# Altium PCB A33.PcbDoc (part 2 of 3)
Units mil, origin at the board's own origin, x right, y up, seen from the top; angles counter-clockwise.
Board outline 7899.31 x 8282.76 mil, 4 copper layers (TOP, GND02, PWR03, BOTTOM), stack 38.4 mil thick; 39 components, 64 nets, 546 pads, 403 vias.
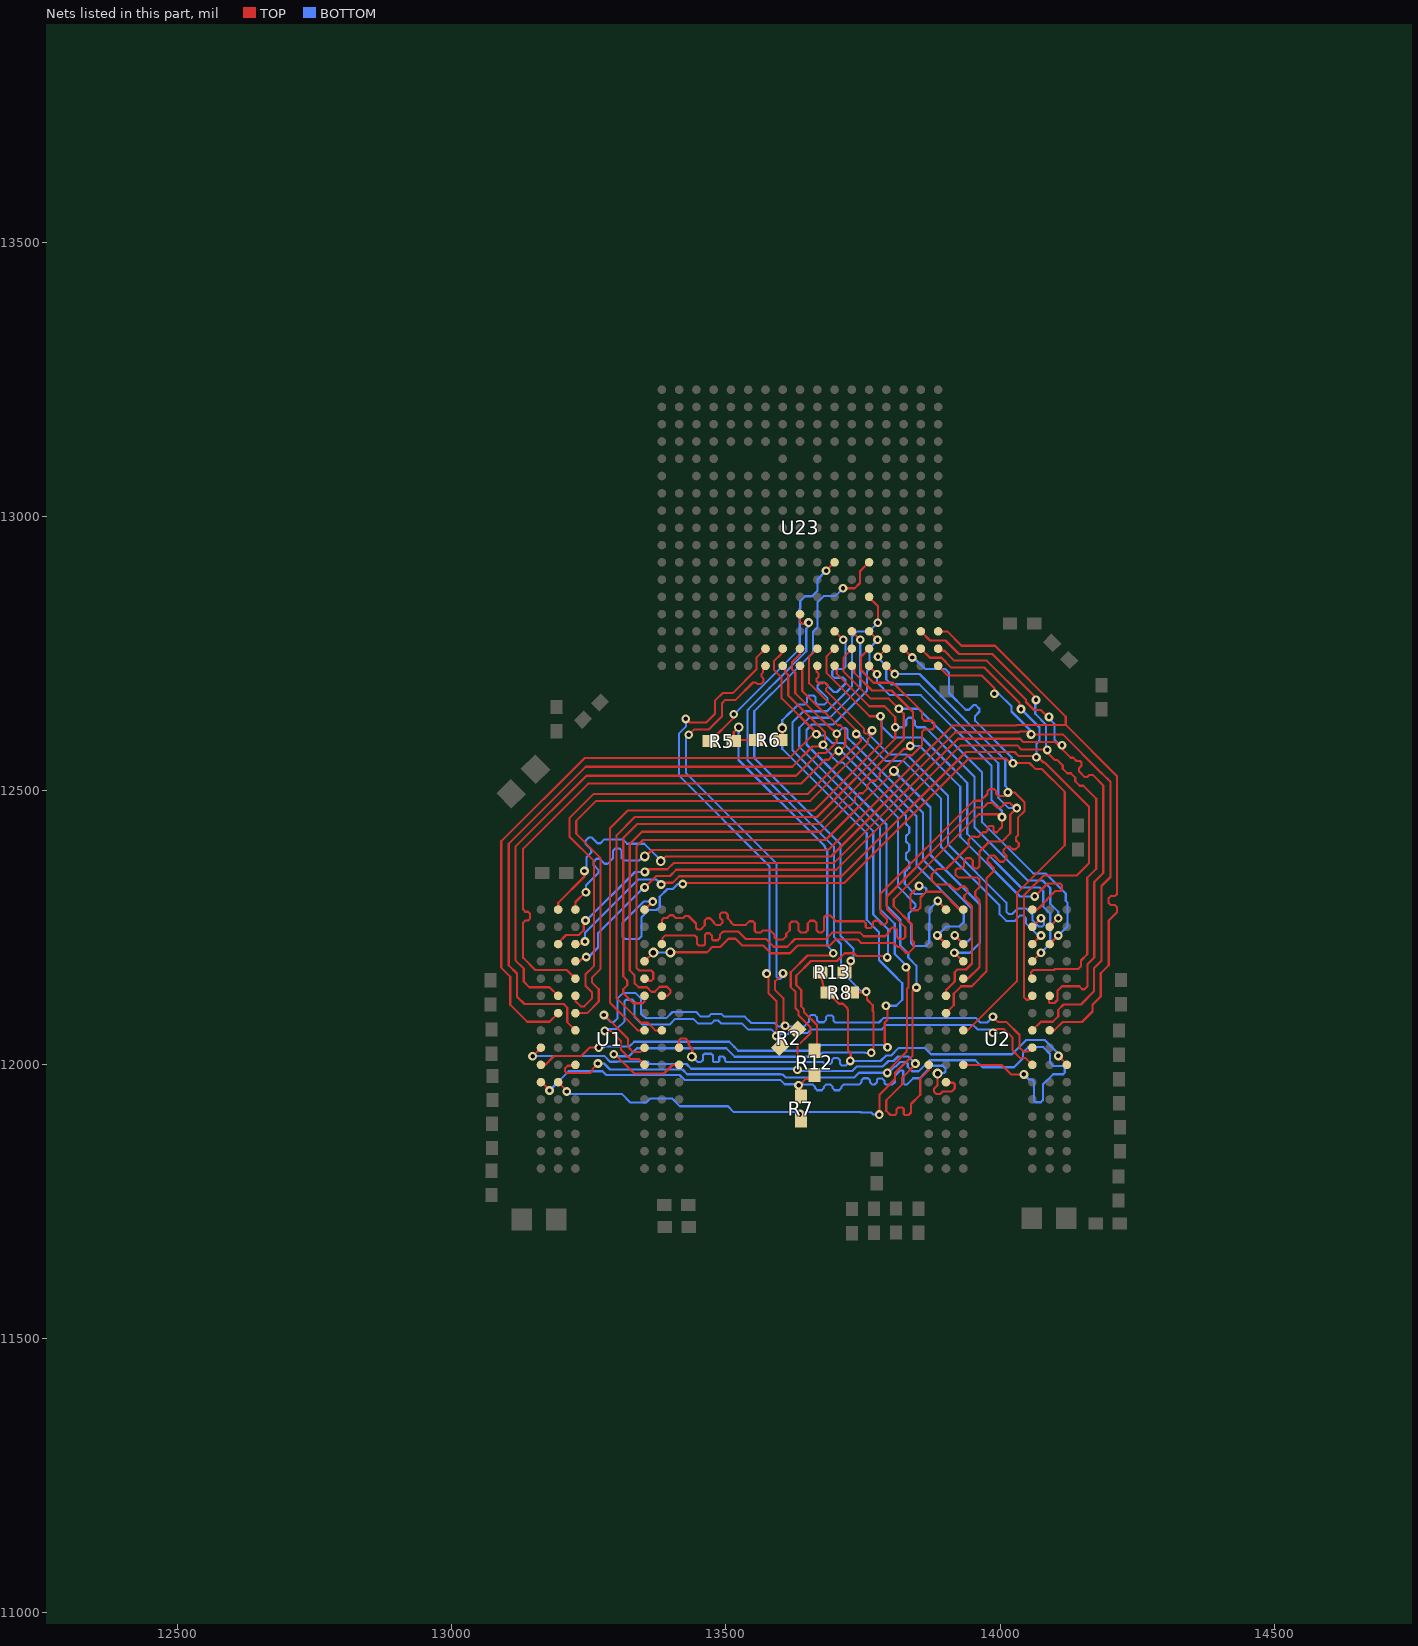
[diagram p4: the nets of this part, all layers, seen from the top]

## Via types
v1: diameter 16, hole 8, TOP to BOTTOM, 320 vias
v2: diameter 18, hole 10, TOP to BOTTOM, 83 vias

## Nets (pads, with @x,y where several pads share a name; then routed paths per layer and width w, separated by ;. In a path a pad name is that pad's centre, name@x,y a point inside that pad or via, vN(x,y) a via of type N, cw(c..) or ccw(c..) an arc to the next point about the centre after c; other vN are vias at no path point) (continued)
DCAS: U1.K3 U2.K3 U23.M3 | length 2302.2
  TOP w4: U1.K3@13225.37,11999.84 13223.94,11998.41 13211.05,11998.41 13206.36,11993.72 13206.36,11988.07 13209.25,11985.18 13251.73,11985.18 13256.67,11990.11 13256.67,11992.65 v1(13266.36,12002.34) ; U23.M3@13729.55,12790.81 v1(13745.02,12775.34) ; v1(13794.34,11985.25) 13794.34,11986.6 13796.84,11989.1 13796.84,11991.14 13829.35,12023.65 13829.35,12026.55 13830.47,12027.67 13830.47,12138.74 13832.82,12141.09 13832.82,12173.55 v1(13828.24,12178.13) ; U2.K3@13932.93,11999.84 14003.35,11999.84 14020.68,11982.52 v1(14043.58,11982.52)
  BOTTOM w4: v1(13266.36,12002.34) 13277.48,12002.34 13288.23,11991.6 13388.64,11991.6 13411.3,11991.59 13411.47,11991.43 13420.49,11991.43 13429.11,11982.81 13599.06,11982.81 13599.35,11982.52 13603.38,11982.52 13609.07,11976.83 13734.11,11976.83 13742.67,11985.39 13794.2,11985.39 v1(13794.34,11985.25) 13795.1,11986.01 13797.09,11986.01 13808.12,11997.04 13809.78,11997.04 13811.49,11998.75 ; v1(13745.02,12775.34) 13745.02,12688.8 13689.35,12633.13 13652.08,12633.13 13633.76,12614.82 13633.76,12580.54 13780.79,12433.51 13780.79,12284.53 13808.01,12257.32 13808.01,12202.24 13828.24,12182.01 v1(13828.24,12178.13) ; 13811.53,11998.75 13817.66,12004.88 13828.82,12004.88 13831.64,12002.05 13831.64,11996.39 13839.84,11988.19 13851.44,11988.19 13871.55,12008.3 13955.04,12008.3 13967.88,11995.46 14025.39,11995.46 14041.95,12012.01 14041.95,12022.62 14051.63,12032.31 14078.77,12032.31 14091.21,12019.86 14091.21,12003.7 14096.85,11998.06 14115.29,11998.06 14118.11,11995.23 14118.11,11985.88 14115.16,11982.92 14097.08,11982.92 14078.53,11964.37 14078.53,11935.67 14074.53,11931.67 14064.03,11931.67 14061.96,11933.73 14061.96,11968.93 14057.73,11973.17 14052.94,11973.17 v1(14043.58,11982.52)
DCK: R2.1 U1.J7 U2.J7 U23.G1 | length 1985.9
  TOP w3.7: v1(13277.32,12090.91) 13279.03,12089.2 13279.84,12089.2 13321.2,12047.83 13321.2,12032.63 13330.66,12023.17 13343.18,12023.17 U1.J7@13351.35,12031.34 ; v1(13431.99,12602.36) 13441.71,12612.08 13468.99,12612.08 13492.76,12635.84 13492.76,12649.74 13492.76,12659.82 13498.73,12665.79 13517.47,12665.79 13549.3,12697.62 13554.53,12697.62 13557.74,12694.41 13563.78,12694.41 13568.28,12698.91 13568.28,12704.8 13564.99,12708.09 13564.99,12713.32 13567.79,12716.12 13567.79,12723.55 U23.G1@13572.07,12727.82 ; v1(13604.08,12166.8) 13589.84,12152.56 13589.84,12136.28 13604.51,12121.61 13604.51,12074.41 v1(13607.79,12071.14) 13615.09,12063.83 R2.1@13629.84,12063.83 ; v1(13987.03,12087.52) 13996.63,12077.92 14012.08,12077.92 14035.53,12054.47 14035.53,12031.34 14042.2,12024.67 14052.24,12024.67 U2.J7@14058.91,12031.34
  BOTTOM w3.7: v1(13277.32,12090.91) 13290.04,12078.18 13295.56,12078.18 13302.44,12085.06 13302.44,12121.34 13312.31,12131.21 13334.55,12131.21 13345.31,12120.45 13345.31,12093.2 13352.72,12085.79 13391.76,12085.79 13402.38,12096.41 13445.61,12096.41 13454.26,12087.76 13468.02,12087.76 13473.4,12093.14 13491.54,12093.14 13496.92,12087.76 13534.59,12087.76 13545.69,12076.67 13588.51,12076.67 13595.14,12070.04 13606.69,12070.04 v1(13607.79,12071.14) 13608.74,12070.19 13642.91,12070.19 13651.22,12078.5 13651.22,12086.97 13654.92,12090.67 13662.32,12090.67 13666.02,12086.97 13666.02,12081.37 13669.72,12077.67 13678.42,12077.67 13682.12,12081.37 13682.12,12086.67 13685.62,12090.17 13692.62,12090.17 13696.12,12086.67 13696.12,12080.67 13699.62,12077.17 13779.16,12077.17 13787.51,12085.51 13955.68,12085.51 13964.02,12077.17 13976.68,12077.17 v1(13987.03,12087.52) ; v1(13431.99,12602.36) 13426.85,12597.22 13426.85,12532.81 13591.81,12367.85 13591.81,12160.93 13595.84,12156.9 13599.42,12156.9 13604.08,12161.57 v1(13604.08,12166.8)
DCKE: R8.2 U1.K9 U23.J4 | length 1618.8
  TOP w4: v1(13295.23,12019.47) 13297.09,12019.47 13332.4,11984.17 13386.8,11984.17 13402.47,11999.84 U1.K9@13414.35,11999.84 ; U23.J4@13635.06,12822.31 13635.06,12808.41 13638.78,12804.69 13648.62,12804.69 v1(13650.74,12806.81) ; R8.2@13729.74,12131.95 13752.55,12131.95 13754.19,12133.59 v1(13755.74,12133.59) 13755.74,12132.05 13757.39,12130.4 13757.39,12119.34 13767.93,12108.8 13767.93,12097.94 13769.2,12096.67 13769.2,12026.11 v1(13764.93,12021.84)
  BOTTOM w4: v1(13295.23,12019.47) 13297.09,12019.47 13300.77,12015.79 13323.06,12015.79 13337.47,12030.21 13500.53,12030.21 13515.84,12014.91 13669.24,12014.91 13676.68,12022.35 13752.88,12022.35 13753.4,12021.84 v1(13764.93,12021.84) ; v1(13650.74,12806.81) 13650.74,12799.64 13646.57,12795.47 13646.57,12754.36 13593.87,12701.66 13593.81,12701.66 13580.04,12687.89 13579.89,12687.89 13541.43,12649.43 13541.43,12649.28 13539.43,12647.28 13539.43,12555.21 13696.79,12397.85 13696.79,12233.59 13709.98,12220.41 13709.98,12181.21 13717.33,12173.86 13717.33,12163.68 13747.42,12133.59 v1(13755.74,12133.59)
DCKE1: R13.1 U23.N7 | length 941.9
  TOP w4: v1(13713.54,12869.42) 13734.7,12869.42 13744.42,12879.14 13744.42,12900.24 13746.48,12902.3 13746.48,12902.56 13760.71,12916.8 U23.N7@13761.04,12916.8 ; R13.1@13716.03,12168.45 13716.03,12170.54 13727.74,12182.26 v1(13727.74,12189.44)
  BOTTOM w4: v1(13713.54,12869.42) 13699.26,12855.14 13678.24,12855.14 13667.03,12843.94 13667.03,12798.52 13658.57,12790.06 13658.57,12752.27 13657.23,12750.94 13657.23,12750.88 13598.01,12691.66 13597.95,12691.66 13584.18,12677.89 13584.03,12677.89 13551.43,12645.29 13551.43,12559.66 13708.79,12402.3 13708.79,12235.74 13732.4,12212.13 13732.4,12194.1 v1(13727.74,12189.44)
DCKE1-D: R8.1 R13.2 U1.J9 U2.K9 | length 1049.5
  TOP w4: U1.J9@13414.35,12031.34 13414.35,12041.21 13414.53,12041.21 13414.53,12045.22 13417.27,12047.96 13426.52,12047.96 13432.11,12042.37 13432.11,12036.28 13438.58,12029.81 13438.58,12015.37 v2(13437.85,12014.64) ; R13.2@13672.03,12168.45 13678.83,12138.86 R8.1@13685.74,12131.95 13706.32,12111.37 13713.65,12111.37 13721.85,12103.17 13721.85,12100.6 13722.44,12100.01 13722.44,12026.45 13727.68,12021.21 v1@13727.68,12007.89 ; v1(13726.9,12007.11) v1@13727.68,12007.89 ; v1@13727.68,12007.13 v1@13727.68,12007.89 ; v1(14106.47,12016.23) 14121.9,12000.8 U2.K9@14121.9,11999.84
  BOTTOM w4: v2@13438.16,12014.33 v2(13437.85,12014.64) 13439.03,12014.64 13448.76,12004.91 13454.13,12004.91 13458.13,12008.91 13458.13,12017.79 13460.55,12020.21 13473.23,12020.21 13476.39,12017.06 13476.39,12006.65 13478.13,12004.91 13485.24,12004.91 13487.68,12007.35 13487.68,12013.81 13488.89,12015.02 13494.54,12015.02 13498.16,12011.4 13498.16,12007.62 13500.87,12004.91 13676.93,12004.91 13680.61,12001.23 13689.75,12001.23 13693.62,12005.1 13693.62,12009.39 13696.59,12012.35 13704.11,12012.35 13708.11,12008.35 13708.11,12001.77 13711.19,11998.7 13718.49,11998.7 v1(13726.9,12007.11) 13727.68,12007.11 13727.88,12006.91 13782.05,12006.91 13792.19,12017.04 13801.5,12017.04 13815.36,12030.91 13862.39,12030.91 13873.95,12019.35 14021.7,12019.35 14047.45,12045.09 14082.03,12045.09 14106.47,12020.66 v1(14106.47,12016.23)
DCKN: R2.2 U1.K7 U2.K7 U23.G2 | length 1975.6
  TOP w3.7: v1(13278.94,12061.92) 13289.44,12061.92 13308.7,12042.66 13308.7,12027.45 13313.02,12023.13 ; 13313.02,12023.12 13325.48,12010.67 13340.53,12010.67 U1.K7@13351.35,11999.84 ; v1(13426.47,12631.12) 13433.01,12624.58 13463.82,12624.58 13480.26,12641.02 13480.26,12665 13493.56,12678.29 13512.29,12678.29 13555.29,12721.3 13555.29,12742.55 U23.G2@13572.07,12759.32 ; v1(13574.07,12166.48) 13577.34,12163.2 13577.34,12131.1 13592.01,12116.43 v1@13592.01,12052.73 ; v1(13591.86,12052.57) v1@13592.01,12052.73 ; R2.2@13598.72,12032.72 13598.72,12043.84 13592.01,12050.55 v1@13592.01,12052.73 ; v1(13987.03,12058.67) 13993.78,12065.42 14006.9,12065.42 14023.03,12049.29 14023.03,12026.17 14037.03,12012.17 14046.59,12012.17 U2.K7@14058.91,11999.84
  BOTTOM w3.7: v1(13278.94,12061.92) 13282.7,12065.68 13300.74,12065.68 13314.94,12079.88 13314.94,12116.17 13317.48,12118.71 13329.37,12118.71 13332.81,12115.27 13332.81,12088.02 13347.54,12073.29 13396.93,12073.29 13407.55,12083.91 13440.43,12083.91 13449.08,12075.26 13473.2,12075.26 13478.58,12080.64 13486.36,12080.64 13491.74,12075.26 13529.41,12075.26 13540.51,12064.17 13583.34,12064.17 13591.86,12055.64 v1(13591.86,12052.57) ; v1(13426.47,12631.12) 13427.22,12630.37 13427.22,12617.6 13414.35,12604.73 13414.35,12527.63 13579.31,12362.67 13579.31,12171.72 v1(13574.07,12166.48) ; v1@13595.29,12057.54 13595.29,12050.09 13592.81,12052.57 v1(13591.86,12052.57) ; v1(13987.03,12058.67) 13981.03,12064.67 13958.84,12064.67 13950.5,12073.01 13792.68,12073.01 13784.34,12064.67 13655.07,12064.67 13648.09,12057.69 13615.34,12057.69 13613.94,12056.29 13595.58,12056.29 v1(13591.86,12052.57)
DCS: R7.2 U1.L2 U23.N3 | length 1741.2
  TOP w4: U1.L2@13193.87,11968.34 13209.51,11952.71 v1(13209.51,11951.28) ; R7.2@13633.76,11889.55 13633.76,11908.96 v1(13634.93,11910.12) ; U23.N3@13761.04,12790.81 v1(13776.51,12775.34) ; v1(13779.44,11909.15) 13780.27,11909.98 13780.27,11945.91 13808.5,11974.14 13808.5,11985.06 13840.47,12017.03 13840.47,12134.27 v1(13847.34,12141.14) ; v1(13634.93,11910.12) 13634.93,11904.33 R7.2@13636.45,11898.25 13636.45,11908.59 v1(13634.93,11910.12)
  BOTTOM w4: v1(13209.51,11951.28) 13213.83,11946.95 13309.9,11946.95 13325.59,11931.26 13354.67,11931.26 13361.8,11938.38 13401.79,11938.38 13415.87,11924.31 13503.55,11924.31 13514.16,11913.7 13629.02,11913.7 13632.6,11910.12 v1(13634.93,11910.12) 13638.51,11913.7 13745.82,11913.7 13746.33,11913.19 13764.93,11913.19 13768.98,11909.15 v1(13779.44,11909.15) ; v1(13776.51,12775.34) 13776.51,12775.07 13761.71,12760.27 13761.71,12722.22 13757.04,12717.55 13757.04,12682.09 13695.82,12620.87 13656.79,12620.87 13646.86,12610.95 13646.86,12584.41 13792.79,12438.48 13792.79,12290.5 13818.01,12265.28 13818.01,12218.18 13832.55,12203.65 13832.55,12195.97 13835.34,12193.17 13835.34,12192.93 13847.34,12180.93 v1(13847.34,12141.14)
DCS1: R12.1 U23.N5 | length 1180.1
  TOP w4: R12.1@13661.2,12025.64 13665.95,12030.4 13665.95,12072.59 13642.36,12096.17 13642.36,12101.63 13637.35,12106.65 13637.35,12136.61 13628.2,12145.75 13628.2,12162.43 13655.19,12189.42 13702.7,12189.42 13716.72,12203.44 13733.54,12203.44 13738.38,12198.6 13790.83,12198.6 13793.37,12196.05 v1(13794.24,12196.05) ; U23.N5@13761.04,12853.81 13761.04,12853.02 13777.09,12836.98 v1(13777.09,12806.57)
  BOTTOM w4: v1(13777.09,12806.57) 13761.34,12790.83 13739.73,12790.83 13730.03,12781.13 13730.03,12690.78 13684.38,12645.13 13641.42,12645.13 13621.22,12624.93 13621.22,12574.01 13768.79,12426.43 13768.79,12274.33 13795.68,12247.44 13795.68,12199.63 13794.24,12198.18 v1(13794.24,12196.05)
DCS1-D: R7.1 R12.2 U1.L1 U2.L2 | length 1074.1
  TOP w4: U1.L1@13162.38,11968.34 13163.88,11968.34 13177.21,11955.02 13177.21,11953.99 v1(13178.07,11953.12) ; v1@13633.76,11958.66 v1@13632.98,11959.44 ; v1@13635.28,11959.44 v1@13632.98,11959.44 ; R7.1@13636.45,11942.25 13636.45,11958.88 v1(13632.5,11962.83) ; R12.2@13661.2,11981.64 13654.11,11974.55 13645.74,11974.55 13635.82,11964.63 13634.3,11964.63 v1(13632.5,11962.83) ; v2(13886.06,11983.9) 13886.06,11963 13879.61,11956.55 13879.61,11950.9 13883.95,11946.56 13890.38,11946.56 13895.23,11951.41 13912.01,11951.41 13917.45,11956.85 13917.45,11964.76 13914.97,11967.24 13902.55,11967.24 U2.L2@13901.43,11968.35 ; v1(13632.5,11962.83) 13632.5,11959.92 v1@13632.98,11959.44
  BOTTOM w4: v1(13178.07,11953.12) 13213.23,11988.28 13274.55,11988.28 13281.39,11981.43 13415.32,11981.43 13424.23,11972.52 13599.24,11972.52 13607.13,11964.63 13626.92,11964.63 13631.63,11959.92 13632.5,11960.79 v1(13632.5,11962.83) 13633.56,11963.89 13658.56,11963.89 13662.56,11959.89 13662.56,11957.73 13666.56,11953.73 13674.56,11953.73 13678.56,11957.73 13678.56,11959.89 13682.56,11963.89 13690.56,11963.89 13694.56,11959.89 13694.56,11957.73 13698.56,11953.73 13706.56,11953.73 13710.56,11957.73 13710.56,11959.89 13714.56,11963.89 13742.98,11963.89 13746.98,11967.89 13746.98,11971.36 13750.98,11975.36 13758.98,11975.36 13762.98,11971.36 13762.98,11967.89 13766.98,11963.89 13771.09,11963.89 13771.09,11963.96 13775.59,11968.45 13775.59,11973.19 13777.18,11974.78 13785,11974.78 13788.96,11970.83 13788.96,11966.76 13791.84,11963.89 13803.51,11963.89 13808.39,11968.77 13808.39,11980.48 13817.69,11989.77 13822.28,11989.77 13823.34,11988.71 13823.34,11966.71 13826.16,11963.89 13829.96,11963.89 13841.51,11975.44 13853.73,11975.44 13863.19,11984.91 13863.19,11985.8 13875.69,11998.3 13895.68,11998.3 13900.35,11993.63 13900.35,11987.69 13897.73,11985.07 13887.22,11985.07 v2(13886.06,11983.9)
DODT: R6.1 U1.K1 U23.L3 | length 1769.5
  TOP w4: U1.K1@13162.38,11999.84 13169.98,11999.84 13186.37,12016.24 13236.12,12016.24 13251.35,12031.47 v1(13267.94,12031.47) ; R6.1@13599.1,12592.54 13599.1,12597.62 13602.71,12601.23 v2(13602.71,12614.21) ; U23.L3@13698.05,12790.81 13698.58,12790.81 v1(13714.05,12775.34) ; v1(13791.93,12107.88) 13794.61,12105.2 13794.61,12082.44 13789.51,12077.34 13789.51,12039.77 13794.61,12034.67 v1(13794.61,12032.13)
  BOTTOM w4: v1(13267.94,12031.47) 13276.57,12031.47 13278.57,12033.47 13323.76,12033.47 13332.5,12042.21 13505.83,12042.21 13514.97,12033.07 13522.29,12025.75 13663.11,12025.75 13673.5,12036.14 13790.59,12036.14 v1(13794.61,12032.13) ; v2@13602.71,12617.8 v2(13602.71,12614.21) 13602.71,12576.59 13756.79,12422.5 13756.79,12264.51 13779.2,12242.1 13779.2,12191.3 13812.07,12158.42 13812.07,12158.17 13821.58,12148.66 13821.58,12118.6 13810.87,12107.88 v1(13791.93,12107.88) ; v2@13602.74,12617.83 13602.74,12628.57 13617.84,12643.66 13617.89,12643.66 13631.36,12657.13 13643.54,12657.13 13647.54,12661.13 13647.54,12670.01 13651.54,12674.01 13659.54,12674.01 13663.54,12670.01 13663.54,12661.13 13667.54,12657.13 13679.41,12657.13 13685.42,12663.14 13685.42,12668.8 13666.91,12687.3 13666.91,12692.1 13672.57,12697.76 13679.08,12697.76 13696.73,12680.11 13702.39,12680.11 13718.03,12695.75 13718.03,12702.12 13714.03,12706.12 13697.79,12706.12 13693.79,12710.12 13693.79,12718.12 13697.79,12722.12 13714.03,12722.12 13718.03,12726.12 13718.03,12771.37 v1(13714.05,12775.34)
DODT1: R5.1 U23.L7 | length 428.9
  TOP w4: R5.1@13470.2,12590.8 13471.77,12590.8 13514.3,12633.32 v1(13514.3,12639.65) ; v1(13682.59,12901.34) U23.L7@13698.05,12916.8
  BOTTOM w4: v1(13514.3,12639.65) 13514.83,12639.65 13634.57,12759.39 13634.57,12832.11 13635.53,12833.07 13635.53,12846.06 13644.37,12854.91 13656.81,12854.91 13665.6,12863.7 13666.84,12864.95 13666.84,12885.59 v1(13682.59,12901.34)
DODT1-D: R5.2 R6.2 U1.J1 U2.K1 | length 1882.2
  TOP w4: v1(13147.2,12015.6) 13162.38,12030.78 U1.J1@13162.38,12031.34 ; v2(13523.16,12615.8) 13514.2,12606.83 R5.2@13514.2,12590.8 13515.94,12592.54 R6.2@13555.1,12592.54 ; v1(13630.26,11990.91) 13630.26,12033.85 13654.26,12057.85 13654.26,12068.41 13632.36,12090.3 13632.36,12097.49 13626.77,12103.09 13626.77,12133.05 13618.08,12141.73 13618.08,12168.92 13648.58,12199.42 13691.63,12199.42 v1(13695.63,12203.42) ; v1(13845.64,12002.19) 13845.64,12000.6 13821.74,11976.69 13821.74,11964.51 13792.32,11935.09 13792.32,11916.14 13800.15,11908.31 13808.25,11908.31 13811.35,11911.41 13811.35,11918.93 13814.62,11922.2 13821.31,11922.2 13824.18,11919.33 13824.18,11910.84 13826.72,11908.31 13832.84,11908.31 13837.42,11912.88 13837.42,11928.4 13854.28,11945.27 13854.28,11974.44 13869.94,11990.1 U2.K1@13869.94,11999.84
  TOP w5.2: R6.2@13555.1,12592.54 R6.2@13555.1,12597.06
  BOTTOM w4: v1(13147.2,12015.6) 13147.95,12016.35 13277.62,12016.35 13288.5,12005.47 13301.03,12005.47 13301.35,12005.79 13357.11,12005.79 13361.3,12001.6 13392.78,12001.6 13415.44,12001.59 13415.61,12001.43 13427.83,12001.43 13436.46,11992.81 13625.7,11992.81 13627.21,11991.3 13629.87,11991.3 v1(13630.26,11990.91) 13632.47,11988.7 13730.1,11988.7 13738.32,11996.91 13786.19,11996.91 13796.33,12007.04 13805.64,12007.04 13813.75,12015.16 13832.68,12015.16 v1(13845.64,12002.19) ; v2(13523.16,12615.8) 13523.16,12606.36 13522.94,12606.14 13522.94,12556.31 13678.79,12400.45 13678.79,12400.07 13680.79,12398.07 13680.79,12395.83 13684.79,12391.83 13684.79,12217.01 13695.63,12206.17 v1(13695.63,12203.42)
DQ0: U1.F8 U2.A7 U23.M1 | length 1703.7
  TOP w4: U1.F8@13382.85,12125.82 13393.12,12125.82 13398.82,12131.52 13398.82,12135.82 13392.32,12142.32 13379.12,12142.32 13370.2,12133.4 13363.85,12133.4 13355.84,12141.42 13340.61,12141.42 13332.89,12149.14 13332.89,12163.87 13324.45,12172.31 13324.45,12403.07 13346.6,12425.22 13673.09,12425.22 13720.76,12472.89 13726.93,12472.89 13735.16,12481.11 13735.16,12481.63 13735.16,12487.29 13743.38,12495.52 13743.9,12495.52 13749.56,12495.52 13757.79,12503.74 13757.79,12504.26 13757.79,12509.92 13766.01,12518.14 13766.53,12518.14 13772.19,12518.14 13780.41,12526.37 13780.41,12526.89 13780.41,12532.55 13824.62,12576.76 13831.45,12576.76 v1(13836.3,12581.6) 13841.15,12586.45 13841.15,12643.73 13801.87,12683.01 13766.3,12683.01 13734.17,12715.15 13734.17,12723.2 U23.M1@13729.55,12727.82 ; U2.A7@14058.91,12283.31 14068.12,12283.31 14074.61,12289.79 14074.61,12289.85 14085.16,12300.41 14085.16,12301.73 14100.75,12317.32 14110.77,12317.32 14113.23,12319.78 14113.23,12327.09 14109.52,12330.8 14087.33,12330.8 14084.5,12327.97 14083.96,12327.97 v1(14063.22,12307.24)
  BOTTOM w4: v1(13836.3,12581.6) 13853.37,12581.6 13927.52,12507.45 13927.52,12416.14 14036.43,12307.24 v1(14063.22,12307.24)
DQ1: U1.F7 U2.C8 U23.M2 | length 1774.7
  TOP w4: U1.F7@13351.35,12125.82 13351.35,12115.56 13348.28,12112.48 13331.18,12112.48 13312.45,12131.21 13312.45,12137.85 13319.94,12145.34 13319.94,12153.85 13312.45,12161.34 13312.45,12413.88 13337.75,12439.18 13670.08,12439.18 13824.3,12593.4 13824.3,12640.74 v1(13815.47,12649.57) 13796.87,12668.17 13764.17,12668.17 13714.12,12718.22 13714.12,12742.53 13729.55,12757.96 U23.M2@13729.55,12759.32 ; U2.C8@14090.41,12220.32 v1@14106.15,12236.06
  BOTTOM w4: v1(13815.47,12649.57) 13851.33,12649.57 13950.25,12550.66 13965.87,12535.03 13967.35,12533.55 13967.35,12442.41 14060.49,12349.27 14082.86,12349.27 14119.71,12312.41 14119.71,12299.29 14123.07,12295.93 14123.07,12252.98 v1(14106.15,12236.06)
DQ2: U1.H8 U2.B8 U23.L1 | length 1745.7
  TOP w4: U1.H8@13382.85,12062.83 13370.98,12062.83 13357.1,12076.71 13345.37,12076.71 13300.45,12121.64 13300.45,12418.85 13333.78,12452.18 13666.11,12452.18 13808.8,12594.88 v1(13808.8,12615.74) 13808.8,12634.33 13789.03,12654.1 13761.27,12654.1 13702.12,12713.25 13702.12,12723.75 U23.L1@13698.05,12727.82 ; U2.B8@14090.41,12251.81 v1@14106.15,12267.55
  BOTTOM w4: v1(13808.8,12615.74) 13824.89,12615.74 13828.89,12619.74 13828.89,12629.3 13832.75,12633.16 13838.21,12633.16 13844.89,12626.48 13844.89,12619.74 13848.89,12615.74 13863.33,12615.74 13928.42,12550.66 13944.04,12535.03 13953.22,12525.85 13953.22,12433.69 14050.45,12336.47 14077.56,12336.47 14091.48,12322.54 14091.48,12295.08 14091.71,12294.86 14091.71,12293.73 14106.15,12279.29 v1(14106.15,12267.55)
DQ3: U1.H7 U2.D7 U23.L2 | length 1834.1
  TOP w4: U1.H7@13351.35,12062.83 13339.01,12062.83 13288.45,12113.4 13288.45,12431.89 13320.74,12464.18 13661.14,12464.18 13783.76,12586.81 13783.76,12633.38 13781.79,12635.35 v1(13781.79,12636.01) 13762.39,12636.01 13683.17,12715.23 13683.17,12726.81 13683.11,12726.87 13683.11,12744.39 U23.L2@13698.04,12759.32 ; U2.D7@14058.91,12188.82 v1(14074.66,12204.56)
  BOTTOM w4: v1(13781.79,12636.01) 13783.78,12634.03 13783.78,12617.5 13804.18,12597.1 13857.57,12597.1 13904.01,12550.66 13929.14,12525.53 13940.32,12514.35 13940.32,12421.44 14038.1,12323.67 14072.25,12323.67 14078.68,12317.23 14078.68,12288.65 14091.74,12275.59 14091.74,12221.65 v1(14074.66,12204.56)
DQ4: U1.E3 U2.A3 U23.J1 | length 1741.7
  TOP w4: U1.E3@13225.37,12157.32 13209.67,12173.02 13152,12173.02 13129.86,12195.15 13129.86,12259.26 13133.86,12263.26 13138.6,12263.26 13142.6,12267.26 13142.6,12275.26 13138.6,12279.26 13133.86,12279.26 13129.86,12283.26 13129.86,12394.24 13248.65,12513.02 13636.78,12513.02 13680.53,12556.78 13686.94,12556.78 13701.37,12571.21 13704.2,12571.21 v1(13705.75,12572.76) 13708.64,12572.76 13717.73,12581.85 13717.73,12610.47 13708.65,12619.55 13704.13,12619.55 13681.13,12642.55 13678.68,12642.55 13639.18,12682.05 13639.18,12720.76 13635.06,12724.89 U23.J1@13635.06,12727.82 ; v1(13852.35,12326.5) 13836.5,12310.65 13836.5,12285.42 13839.84,12282.08 13843.01,12282.08 13850.07,12282.08 13854.94,12286.95 13854.94,12305.45 13865.1,12315.62 13893.6,12315.62 13925.91,12283.31 U2.A3@13932.93,12283.31
  BOTTOM w4: v1(13705.75,12572.76) 13708.75,12569.76 13713.3,12569.76 13828.49,12454.58 13828.49,12439.54 13834.47,12433.55 13834.47,12423.54 13828.49,12417.55 13828.49,12407.54 13834.47,12401.55 13834.47,12391.54 13828.49,12385.55 13828.49,12375.54 13834.47,12369.55 13834.47,12359.34 13829.97,12354.84 13829.21,12354.84 13826.03,12351.67 13826.03,12330.26 13844.88,12311.42 13860.7,12311.42 13865.22,12315.94 13865.22,12321.9 13863.37,12323.75 13855.11,12323.75 v1(13852.35,12326.5)
DQ5: U1.F2 U2.C3 U23.J2 | length 1763.2
  TOP w4: U1.F2@13193.87,12125.82 13178.12,12141.58 13146.83,12141.58 13146.74,12141.66 13141.29,12141.66 13131.01,12151.94 13131.01,12175.76 13115.76,12191 13115.76,12397.9 13245.43,12527.56 13627.83,12527.56 13669.05,12568.78 13681.97,12568.78 13702.23,12589.05 v1(13702.23,12604.06) 13694.48,12611.81 13692.99,12611.81 13674.25,12630.55 13673.71,12630.55 13626.39,12677.88 13626.39,12715.46 13620.18,12721.66 13620.18,12733.98 13635.06,12748.86 U23.J2@13635.06,12759.32 ; v1(13917.19,12236.06) U2.C3@13932.93,12220.32
  BOTTOM w4: v1(13702.23,12604.06) 13712.95,12614.77 13718.44,12614.77 13721.74,12611.47 13721.74,12596.88 13731.11,12587.51 13731.76,12587.51 13859.43,12459.83 13859.43,12374.22 13948.36,12285.29 13948.36,12232.2 13941.01,12224.85 13928.4,12224.85 v1(13917.19,12236.06)
DQ6: U1.H3 U2.A2 U23.H1 | length 1845.4
  TOP w4: U1.H3@13225.37,12062.83 13210.31,12077.9 13210.31,12104.37 13203.85,12110.83 13138.61,12110.83 13138.5,12110.94 13132.3,12110.94 13118.76,12124.47 13118.76,12166.63 13103.76,12181.63 13103.76,12403.31 13244.29,12543.84 13620.85,12543.84 13657.79,12580.78 13672.08,12580.78 13675.14,12583.83 v1(13677.22,12583.83) 13678.17,12584.78 13678.17,12587.53 13680.45,12589.81 13680.45,12607.38 13669.28,12618.55 13668.74,12618.55 13613.56,12673.73 13613.56,12711.31 13608.18,12716.69 13608.18,12723.2 U23.H1@13603.56,12727.82 ; v1(13886.31,12299.1) 13901.43,12283.98 U2.A2@13901.43,12283.31
  BOTTOM w4: v1(13677.22,12583.83) 13678.17,12582.89 13678.17,12580.78 13692.3,12566.65 13692.3,12563.34 13703.87,12551.77 13713.19,12551.77 13814.03,12450.93 13814.03,12324.68 13845.91,12292.8 13845.91,12288.63 13833.37,12276.09 13833.37,12260.86 13837.54,12256.7 13837.54,12221.58 13842.09,12217.03 13865.27,12217.03 13870.98,12222.74 13870.98,12257.34 13871.13,12257.49 13871.13,12283.93 v1(13886.31,12299.1)
DQ7: U1.G2 U2.C2 U23.H2 | length 1815.5
  TOP w4: U1.G2@13193.87,12094.33 13178.07,12078.53 13155.84,12078.53 13137.3,12078.54 13106.44,12109.39 13106.44,12160.84 13089.97,12177.31 13089.97,12407.74 13241.78,12559.55 13615.63,12559.55 13660,12603.93 v1@13662.23,12603.93 ; U23.H2@13603.56,12759.32 13601.34,12757.1 13601.34,12750.1 13587.33,12736.09 13587.33,12720.58 13601.48,12706.43 13601.48,12668.84 13662.23,12608.08 v1@13662.23,12603.93 ; v1(13664.96,12603.06) 13663.11,12603.06 v1@13662.23,12603.93 ; v1(13885.69,12236.06) U2.C2@13901.43,12220.32
  BOTTOM w4: v1(13664.96,12603.06) 13667.01,12601 13679.85,12601 13693.77,12587.09 13714.07,12587.09 13847.43,12453.73 13847.43,12363.98 13933.79,12277.62 13933.79,12260.56 13925.79,12252.56 13902.19,12252.56 v1(13885.69,12236.06)
DQ8: U1.A3 U2.H8 U23.U3 | length 2125.6
  TOP w4: U1.A3@13225.37,12283.31 13225.37,12296.95 13243.49,12315.07 v1(13244.35,12315.07) ; v2(13351.77,12380.26) 13353.47,12380.26 13365.16,12391.96 13686.48,12391.96 13913.34,12618.82 14029.37,12618.82 14030.78,12620.23 14119.84,12620.23 ; U23.U3@13887.03,12790.81 13903.43,12790.81 13929.69,12764.55 13990.69,12764.55 14119.97,12635.27 14119.97,12620.35 14119.84,12620.23 ; U2.H8@14087.69,12062.84 U2.H8@14090.41,12062.84 14098.98,12062.84 14114.35,12078.21 14149.63,12078.21 14168.57,12097.16 14168.57,12109.33 14183.73,12124.48 14183.73,12167.05 14198.45,12181.78 14198.45,12263.17 14213.53,12278.25 14213.53,12287.75 14209.53,12291.75 14201.98,12291.75 14197.98,12295.75 14197.98,12303.75 14201.98,12307.75 14209.53,12307.75 14213.53,12311.75 14213.53,12526.54 14119.84,12620.23
  BOTTOM w4: v1(13244.35,12315.07) 13244.35,12327.27 13267.12,12350.03 13267.12,12355.69 13258.25,12364.56 13258.25,12370.22 13263.91,12375.87 13269.56,12375.87 13278.43,12367 13284.09,12367 13293.75,12376.66 13293.75,12390.8 13297.75,12394.8 13305.75,12394.8 13309.75,12390.8 13309.75,12376.66 13313.75,12372.66 13341.55,12372.66 13347.13,12378.24 13349.75,12378.24 v2(13351.77,12380.26)
DQ9: U1.A2 U2.H7 U23.U1 | length 2055.5
  TOP w4: U1.A2@13193.87,12283.31 13193.87,12295.8 13241.73,12343.66 v1(13241.73,12353.66) ; v2(13381.04,12371.67) 13381.8,12371.67 13390.09,12379.96 13691.45,12379.96 13918.31,12606.82 14034.34,12606.82 14035.71,12608.19 14051.32,12608.19 v1(14056.6,12602.91) 14114.3,12602.91 14185.11,12532.09 14185.65,12532.09 14201.53,12516.21 14201.53,12342.7 14184.94,12326.11 14184.94,12189.64 14171.53,12176.23 14171.53,12134.12 14147.54,12110.13 14115.94,12110.13 14106.1,12100.29 14106.1,12088.39 14096.25,12078.53 14074.61,12078.53 U2.H7@14058.91,12062.84 ; U23.U1@13887.03,12727.82 13904.6,12710.25 13966.77,12710.25 13989.73,12687.28 v1(13989.73,12677.03)
  BOTTOM w4: v1(13241.73,12353.66) 13245.46,12357.39 13245.46,12378.68 13254.09,12387.31 13254.09,12392.97 13243.76,12403.3 13243.76,12408.95 13249.41,12414.61 13255.07,12414.61 13265.4,12404.28 13271.06,12404.28 13278.08,12411.29 13311.81,12411.29 13319.85,12403.26 13350.94,12403.26 13381.04,12373.16 v2(13381.04,12371.67) ; v1(13989.73,12677.03) 13997.8,12677.03 14020.85,12653.98 14020.85,12644.64 14056.6,12608.89 v1(14056.6,12602.91)
DQ10: U1.C2 U2.F8 U23.U2 | length 2025.6
  TOP w4: U1.C2@13193.87,12220.31 13193.87,12222.66 13208.03,12236.81 13231.59,12236.81 13240.37,12245.59 13240.37,12259.99 v1(13243.62,12263.24) ; v1(13352.03,12351.96) 13352.56,12351.96 13357.28,12356.67 13392.78,12356.67 13404.07,12367.96 13696.42,12367.96 13923.28,12594.82 14036.32,12594.82 14042.24,12588.91 14101.02,12588.91 14106.75,12583.17 v1(14113.09,12583.17) 14113.09,12579.94 14114.52,12578.51 14114.52,12574.85 14129.02,12560.35 14133.53,12560.35 14139.56,12554.32 14145.89,12554.32 14148.69,12551.52 14148.69,12546.15 14143.89,12541.35 14143.89,12535.42 14153.92,12525.39 14159.57,12525.39 14163.23,12529.04 14169.08,12529.04 14188.33,12509.8 14188.33,12350.11 14171.95,12333.73 14171.95,12195.68 14159.53,12183.26 14159.53,12143.41 14154.15,12138.02 14149.97,12138.02 14144.79,12143.21 14112.99,12143.21 14104.87,12135.08 14104.87,12118.31 14099.28,12112.72 14091.18,12112.72 14089.29,12114.61 14089.29,12124.72 U2.F8@14090.41,12125.83 ; U23.U2@13887.03,12759.32 13890.85,12755.5 13898.49,12755.5 13916.52,12737.47 13975.82,12737.47 14047.35,12665.94 14047.35,12662.03 14061.89,12647.5 14074.15,12647.5 14086.84,12634.8 v1(14089.37,12634.8)
  BOTTOM w4: v1(13243.62,12263.24) 13245.19,12263.24 13333.91,12351.96 v1(13352.03,12351.96) ; v1(14089.37,12634.8) 14089.37,12632.28 14099.11,12622.54 14099.11,12593.4 14109.34,12583.17 v1(14113.09,12583.17)
DQ11: U1.C3 U2.F7 U23.T2 | length 1930.2
  TOP w4: U1.C3@13225.37,12220.31 13236.05,12220.31 13240.68,12224.94 v1(13242.85,12224.94) ; v1(13381.62,12329.01) 13382.02,12329.01 13383.41,12330.4 13384.79,12330.4 13386.49,12332.1 13402.64,12332.1 13414.49,12343.96 13710.88,12343.96 13937.74,12570.82 14026.38,12570.82 14033.95,12563.26 14064.14,12563.26 14066.14,12561.26 v1(14066.41,12561.26) 14069.59,12561.26 14079.34,12551.5 14081.55,12551.5 14147.06,12485.99 14147.22,12485.99 14162.43,12470.78 14162.43,12367.82 14140.25,12345.65 14080.04,12345.65 14043.75,12309.36 14043.75,12123.17 14048.25,12118.67 14051.76,12118.67 U2.F7@14058.91,12125.83 ; U23.T2@13855.53,12759.32 13872.15,12742.7 13893.19,12742.7 13911.22,12724.67 13971.54,12724.67 14035.35,12660.85 14035.35,12652.05 v1(14038.32,12649.09)
  BOTTOM w4: v1(13242.85,12224.94) 13242.85,12241.16 13339.65,12337.96 13372.68,12337.96 v1(13381.62,12329.01) ; v1(14038.32,12649.09) 14071.86,12615.54 14071.86,12591.61 14066.41,12586.16 v1(14066.41,12561.26)
DQ12: U1.A7 U2.H3 U23.R2 | length 1980.1
  TOP w4: U1.A7@13351.35,12283.31 13351.83,12283.31 v1@13366.34,12297.81 ; v1(13420.9,12329.89) 13420.96,12329.89 13423.03,12331.96 13716.13,12331.96 13801,12416.83 13801,12417.12 13942.71,12558.82 14010.37,12558.82 14019.04,12550.15 v1(14023.68,12550.15) ; U23.R2@13824.04,12759.32 13840.02,12743.34 v1(13840.02,12743.24) ; U2.H3@13932.93,12062.84 13940.9,12062.84 14030.71,12152.65 14030.71,12313.3 14118.12,12400.7 14118.12,12497.96 14076.58,12539.5 14064.99,12539.5 14053.75,12550.74 14029.07,12550.74 14028.49,12550.15 v1(14023.68,12550.15) ; v1@14024.56,12551.03 v1(14023.68,12550.15)
  BOTTOM w4: v1(13366.36,12297.81) 13364.74,12297.81 13364.65,12297.9 13349.81,12297.9 13311.74,12259.83 13311.74,12233.75 13315.72,12229.78 13341.19,12229.78 13345.78,12234.37 13345.78,12269.27 13358.96,12282.45 13373.07,12282.45 13378.98,12288.36 13378.98,12306.58 13393.26,12320.85 13402.86,12320.85 13411.91,12329.89 v1(13420.9,12329.89) ; v1(13840.02,12743.24) 13842.21,12743.24 13863,12722.45 13899.65,12722.45 13906.87,12715.23 13906.87,12678.57 13937.58,12647.87 13943.24,12647.87 13951.59,12656.22 13955.51,12656.22 13962.56,12649.18 13962.56,12644.56 13954.55,12636.55 13954.55,12627.81 14021.49,12560.87 14021.49,12552.35 v1(14023.68,12550.15)
DQ13: U1.B8 U2.G2 U23.P1 | length 1948
  TOP w4: U1.B8@13382.85,12251.81 13383.23,12252.18 13383.23,12264.43 13386.6,12267.81 13392.41,12267.81 13397.64,12273.05 13403.33,12273.05 13408.57,12267.81 13421.76,12267.81 13425.54,12271.58 13431.69,12271.58 13445.36,12257.91 13445.36,12249.9 13448.19,12247.07 13453.85,12247.07 13461.25,12254.47 13461.25,12263.56 13465.25,12267.56 13470.78,12267.56 13477.58,12260.76 13477.58,12259.31 13481.58,12255.31 13489.58,12255.31 13493.58,12259.31 13493.58,12263.86 13488.81,12268.63 13488.81,12274.69 13492.13,12278 13499.15,12278 13503.05,12274.1 13503.05,12267.29 13509.58,12260.76 13509.58,12259.31 13513.58,12255.31 13536.14,12255.31 13542.64,12261.81 13549.27,12261.81 13552.53,12258.56 13552.53,12244.19 13555.13,12241.6 13563.24,12241.6 13566.96,12245.32 13580.85,12245.32 13588.57,12237.6 13588.57,12232.41 13592.57,12228.41 13603.83,12228.41 13609.79,12234.37 13609.79,12239.05 13616.33,12245.6 13616.33,12257.59 13620.33,12261.59 13628.33,12261.59 13632.33,12257.59 13632.33,12245.6 13636.33,12241.6 13645.11,12241.6 13649.11,12245.6 13649.11,12258.04 13653.85,12262.78 13661.16,12262.78 13665.11,12258.83 13665.11,12245.6 13669.11,12241.6 13674.85,12241.6 13678.85,12245.6 13678.85,12268.83 13682.41,12272.4 13690.41,12272.4 13700.83,12261.98 13745.81,12261.98 13745.93,12261.86 13751.59,12261.86 13754.95,12258.5 13754.95,12251.66 13756.93,12249.68 13764.32,12249.68 13768.17,12253.53 13768.17,12259.94 13771,12262.77 13776.66,12262.77 13783.42,12256.01 13789.58,12256.01 13793.59,12260.01 13793.59,12265.67 13781.94,12277.32 13781.94,12311.94 13951.76,12481.76 13964.64,12481.76 13977.09,12494.21 13977.09,12499.25 13981.09,12503.25 13989.09,12503.25 13993.09,12499.25 13993.09,12494.21 13997.09,12490.21 14007.49,12490.21 v1(14014.32,12497.04) 14026.48,12497.04 14044.47,12479.05 14044.47,12462.55 14032.56,12450.64 14032.56,12418.43 14029.18,12415.04 14029.18,12409.39 14034.04,12404.53 14034.04,12398.87 14028.38,12393.22 14022.72,12393.22 14017.87,12398.07 14012.21,12398.07 14006.55,12392.42 14006.55,12386.76 14011.41,12381.9 14011.41,12376.25 14005.75,12370.59 14000.1,12370.59 13988.89,12381.79 13982.89,12381.79 13977.23,12376.14 13977.23,12370.82 13988.78,12359.28 13988.78,12353.62 13975.37,12340.21 13975.37,12170.48 13951.87,12146.98 13948.34,12143.45 13947.45,12143.45 13947.33,12143.33 13929.39,12143.33 13915.71,12129.65 13915.71,12108.61 U2.G2@13901.43,12094.33 ; U23.P1@13792.54,12727.82 13807.44,12712.93 v1(13808,12712.93)
  BOTTOM w4: v1(13808,12712.93) 13853.08,12712.93 13881.21,12684.8 13881.21,12684.18 13999.65,12565.74 14009.49,12555.9 14009.49,12508.93 14012.76,12505.66 14012.76,12498.6 v1(14014.32,12497.04)
DQ14: U1.C8 U2.E3 U23.P2 | length 1891.1
  TOP w4: U1.C8@13382.85,12220.31 13383.93,12221.4 13383.93,12231.17 13388.5,12235.73 13443.62,12235.73 13446.99,12232.36 13446.99,12220.85 13450.25,12217.6 13459.04,12217.6 13461.71,12220.26 13461.71,12237.2 13464.51,12240 13470.17,12240 13474.51,12235.66 13474.51,12229.27 13476.51,12227.27 13484.86,12227.27 13488.84,12231.24 13488.84,12237.2 13494.95,12243.31 13522.12,12243.31 13535.84,12229.6 13573.21,12229.6 13587.2,12215.6 13611.89,12215.6 13625.89,12229.6 13682.09,12229.6 13693.66,12241.16 13744.68,12241.16 13751.41,12234.44 13790.07,12234.44 13799.32,12243.69 13799.32,12246.8 13803.22,12250.71 13807.83,12250.71 13811.83,12246.71 13811.83,12233.6 13815.83,12229.6 13823.45,12229.6 13827.19,12233.34 13827.19,12251.11 13793.94,12284.37 13793.94,12306.97 13956.73,12469.76 13969.78,12469.76 13973.78,12473.76 13973.78,12473.93 13977.78,12477.93 13985.78,12477.93 13989.78,12473.93 13989.78,12473.76 13993.78,12469.76 14001.78,12469.76 14005.78,12473.76 14005.78,12473.93 14009.78,12477.93 14017.78,12477.93 14021.78,12473.93 14021.78,12473.76 14025.78,12469.76 14029.05,12469.76 v1(14030.47,12468.35) 14018.73,12456.61 14018.73,12422.46 14003.82,12407.55 13980.81,12407.55 13962.43,12389.17 13962.43,12362.02 13958.43,12358.02 13954.34,12358.02 13950.34,12362.02 13950.34,12373.06 13946.34,12377.06 13938.34,12377.06 13934.34,12373.06 13934.34,12362.02 13930.34,12358.02 13921.86,12358.02 13918.9,12355.06 13918.9,12347.06 13923.94,12342.02 13958.43,12342.02 13962.43,12338.02 13962.43,12324.09 13954.83,12316.49 13954.83,12308.09 13962.43,12300.49 13962.43,12178.23 13941.53,12157.33 U2.E3@13932.93,12157.33 ; v1@13778.31,12745.45 v1(13777.25,12744.39) 13777.61,12744.39 U23.P2@13792.54,12759.32
  BOTTOM w4: v1(13777.25,12744.39) 13777.25,12742.71 13792.51,12727.45 13792.51,12703.47 13801.68,12694.31 13852.46,12694.31 13996.68,12550.09 13996.68,12487.53 14015.87,12468.35 v1(14030.47,12468.35)
DQ15: U1.D7 U2.F2 U23.N1 | length 1874.4
  TOP w4: v2(13367.5,12204.73) 13351.59,12188.82 U1.D7@13351.35,12188.82 v2@13367.97,12205.43 ; v2(13398.58,12205.11) 13398.78,12205.31 13420.56,12205.31 13420.68,12205.43 13465.6,12205.43 13474.99,12214.82 13489.39,12214.82 13504.68,12230.12 13517.31,12230.12 13529.83,12217.6 13568.24,12217.6 13582.23,12203.6 13616.87,12203.6 13630.86,12217.6 13689.28,12217.6 13700.29,12228.61 13740.22,12228.61 13746.23,12222.6 13746.44,12222.44 13806.02,12222.44 13813.73,12214.72 13817.7,12214.72 13827.79,12204.63 13833.45,12204.63 13842.62,12213.8 13842.62,12224.22 13839.19,12227.65 13839.19,12256.09 13805.94,12289.34 13805.94,12302 13961.17,12457.23 13998.24,12457.23 v1(14003.53,12451.94) 14003.53,12434.05 13993.89,12424.41 13990.15,12424.41 13987.89,12426.67 13987.89,12434.34 13986.38,12435.85 13980.07,12435.85 13976.97,12432.75 13976.97,12427.18 13974.2,12424.41 13968.79,12424.41 13960.13,12415.76 13954.48,12415.76 13953.79,12416.45 13948.13,12416.45 13942.47,12410.79 13942.47,12405.14 13943.16,12404.45 13943.16,12398.79 13933.37,12389.06 13922.34,12378.03 13922.34,12377.96 13901.58,12357.2 13885.41,12357.2 13875.36,12347.15 13875.36,12336.29 13882.52,12329.13 13908.4,12329.13 13917.75,12319.78 13923.41,12319.78 13929.58,12325.95 13935.24,12325.95 13940.9,12320.3 13940.9,12314.64 13934.72,12308.46 13934.72,12302.81 13948.73,12288.79 13948.73,12184.82 13937.87,12173.96 13922.08,12173.96 13917.23,12169.11 13917.23,12152.51 13916.43,12151.71 13916.43,12151.11 13901.43,12136.11 U2.F2@13901.43,12125.83 ; U23.N1@13761.04,12727.82 13761.04,12727.15 v1(13775.45,12712.75)
  BOTTOM w4: v2(13367.5,12204.73) 13367.89,12205.11 v2(13398.58,12205.11) ; v1@13775.45,12715.66 v1(13775.45,12712.75) 13775.45,12697.95 13798.93,12674.47 13855.33,12674.47 13984.68,12545.12 13984.68,12482.1 14003.53,12463.26 v1(14003.53,12451.94)
DQM0: U1.E7 U2.D3 U23.N2 | length 1625.5
  TOP w4: U1.E7@13351.35,12157.32 13355.26,12153.42 13363.73,12153.42 13367.15,12156.84 13367.15,12168.58 13363.51,12172.23 13341.5,12172.23 13336.45,12177.28 13336.45,12398.1 13348.44,12410.09 13681.47,12410.09 13803.36,12531.98 13803.36,12533.06 v2(13806.47,12536.17) 13809.58,12539.29 13809.58,12541.84 13832.5,12564.76 13839.25,12564.76 13857.88,12583.39 13857.88,12607.88 13861.88,12611.88 13875.93,12611.88 13879.93,12615.88 13879.93,12623.88 13875.93,12627.88 13861.88,12627.88 13857.88,12631.88 13857.88,12644.25 13804.88,12697.26 13769.03,12697.26 13759.95,12706.33 13759.95,12706.41 13746.17,12720.2 13746.17,12744.45 U23.N2@13761.04,12759.32 ; v1(13916.72,12204.46) 13932.36,12188.82 U2.D3@13932.93,12188.82
  BOTTOM w4: v2(13806.47,12536.17) 13873.03,12469.61 13873.03,12382.88 13963.33,12292.58 13963.33,12222.55 13945.23,12204.46 v1(13916.72,12204.46)
DQM1: U1.D3 U2.E7 U23.T3 | length 1969.3
  TOP w4: U1.D3@13225.37,12188.82 13232.8,12188.82 13240.65,12196.66 v1(13244.99,12196.66) ; v1(13351.51,12323.7) 13351.76,12323.7 13372.73,12344.67 13397.75,12344.67 13409.04,12355.96 13701.39,12355.96 13928.25,12582.82 14031.35,12582.82 14038.92,12575.26 14085.4,12575.26 v1(14086.09,12574.57) 14086.45,12574.21 14086.45,12569.44 14099.65,12556.23 14104.53,12556.23 14114.57,12546.2 14114.57,12540.65 14114.57,12539.96 14122.71,12531.82 14128.36,12531.82 14129.06,12531.82 14137.2,12523.68 14137.2,12518.02 14137.2,12517.33 14145.34,12509.19 14151.68,12509.19 14175.38,12485.49 14175.38,12357.51 14159.06,12341.19 14159.06,12201.83 14147.53,12190.3 14147.53,12179.78 14142.69,12174.95 14100.3,12174.95 14098.38,12173.03 ; U23.T3@13855.53,12790.81 13872.15,12774.2 13900.34,12774.2 13925.07,12749.47 13985.87,12749.47 14062.48,12672.85 14062.48,12668.82 v1(14065.54,12665.76) ; U2.E7@14059.15,12157.33 U2.E7@14058.91,12157.33 14056.73,12159.5 14056.73,12169.19 14060.57,12173.02 14098.37,12173.02
  BOTTOM w4: v1(13244.99,12196.66) 13245.14,12196.66 13248.05,12199.57 13251.81,12199.57 13266.36,12214.12 13266.36,12239.84 13350.22,12323.7 v1(13351.51,12323.7) ; v1(14065.54,12665.76) 14064.1,12664.33 14064.1,12640.27 14083.86,12620.51 14083.86,12577.93 14086.09,12575.71 v1(14086.09,12574.57)
DQS0: U1.F3 U2.C7 U23.K2 | length 1798.7
  TOP w3.7: U1.F3@13225.37,12125.82 13225.37,12116.14 13234.68,12106.83 13241.53,12106.83 13255.36,12120.66 13255.36,12132.82 13243.43,12144.75 13243.43,12164.8 13258.84,12180.21 13258.84,12372 13214.3,12416.53 13214.3,12450.16 13258.08,12493.93 13648.64,12493.93 13746.25,12591.54 13746.25,12594.3 13737.73,12602.82 v1(13737.73,12603.5) 13737.73,12610.06 13651.83,12695.95 13651.83,12721.72 13651.83,12728.94 ; 13651.81,12728.97 13651.81,12744.57 U23.K2@13666.56,12759.32
  TOP w4: U2.C7@14058.91,12220.32 v1(14074.66,12236.06)
  BOTTOM w3.7: v1(13737.73,12603.5) 13741.56,12599.68 13745.97,12599.68 13749.51,12596.14 13791.56,12554.09 13824.12,12554.09 13892.51,12485.7 13892.51,12397.4 13999.21,12290.71 13999.21,12274.47 14010.99,12262.7 14027.13,12262.7 14037.19,12272.76 14042.42,12272.76 14046.96,12268.22 14046.96,12258.57 14058.17,12247.36 14060.98,12244.54 14064.46,12241.07 14069.47,12236.06 v1(14074.66,12236.06)
DQS0N: U1.G3 U2.B7 U23.K1 | length 1804.6
  TOP w3.7: U1.G3@13225.37,12094.33 13246.7,12094.33 13267.86,12115.48 13267.86,12138 13255.93,12149.93 13255.93,12159.62 13271.34,12175.04 13271.34,12377.18 13226.81,12421.71 13226.81,12444.98 13263.25,12481.43 13653.82,12481.43 13758.75,12586.36 13758.75,12594.3 13766.62,12602.17 v1(13766.62,12609.97) 13761.01,12604.37 13753.99,12604.37 13751.48,12606.88 13751.48,12613.98 13682.79,12682.67 13682.79,12686.92 13686.02,12690.15 13686.02,12692.97 13682,12696.99 13676.77,12696.99 13675.48,12695.71 13669.76,12695.71 13665.14,12700.32 13665.14,12704.63 13668.93,12708.41 13668.93,12713.9 13665.14,12717.68 13665.14,12720.92 13666.56,12722.33 U23.K1@13666.56,12727.82
  TOP w4: U2.B7@14058.91,12251.81 v1(14074.66,12267.55)
  BOTTOM w3.7: v1(13766.62,12609.97) 13762.01,12605.36 13762.01,12601.32 13796.73,12566.59 13829.3,12566.59 13905.01,12490.88 13905.01,12402.58 14011.71,12295.88 14011.71,12279.65 14016.16,12275.2 14021.95,12275.2 14032.01,12285.26 14047.6,12285.26 14059.46,12273.4 14059.46,12263.75 14071.04,12252.16 14076.5,12252.16 14079.89,12255.56 14079.89,12262.32 v1(14074.66,12267.55)

## Text inside footprints (layer, text, board x,y; h text height)
R12: PIN_NUMBER "2" at 13651.12,11981.64 h25.2 r270; PIN_NUMBER "1" at 13651.12,12025.64 h25.2 r270; AUTOSILK_TOP "0R/NC" at 13651.4,11954.44 h25.2 r270; Top Overlay "0R/NC" at 13652.8,12055.69 h25.2 r270
R13: PIN_NUMBER "2" at 13661.95,12168.45 h25.2 r180; PIN_NUMBER "1" at 13705.95,12168.45 h25.2 r180; AUTOSILK_TOP "0R/NC" at 13644.82,12178.25 h25.2 r180; Top Overlay "0R/NC" at 13746.07,12176.85 h25.2 r180
U1: PIN_NUMBER "R9" at 13401.75,11834.49 h15.75; PIN_NUMBER "R1" at 13149.78,11834.49 h15.75; PIN_NUMBER "N1" at 13149.78,11897.48 h15.75; PIN_NUMBER "N9" at 13401.75,11897.48 h15.75; PIN_NUMBER "F1" at 13149.78,12117.95 h15.75; PIN_NUMBER "K2" at 13181.27,11991.97 h15.75; PIN_NUMBER "H2" at 13181.27,12054.96 h15.75; PIN_NUMBER "K8" at 13370.25,11991.97 h15.75; PIN_NUMBER "H9" at 13401.75,12054.96 h15.75; PIN_NUMBER "G7" at 13338.76,12086.45 h15.75; PIN_NUMBER "D2" at 13181.27,12180.94 h15.75; PIN_NUMBER "C1" at 13149.78,12212.44 h15.75; PIN_NUMBER "B2" at 13181.27,12243.94 h15.75; PIN_NUMBER "A1" at 13149.78,12275.43 h15.75; PIN_NUMBER "C9" at 13401.75,12212.44 h15.75; PIN_NUMBER "E9" at 13401.75,12149.45 h15.75; PIN_NUMBER "D9" at 13401.75,12180.94 h15.75; PIN_NUMBER "A8" at 13370.25,12275.43 h15.75; PIN_NUMBER "J9" at 13401.75,12023.46 h15.75; PIN_NUMBER "L1" at 13149.78,11960.47 h15.75; PIN_NUMBER "J1" at 13149.78,12023.46 h15.75; PIN_NUMBER "L8" at 13370.25,11960.47 h15.75; PIN_NUMBER "L9" at 13401.75,11960.47 h15.75; PIN_NUMBER "M8" at 13370.25,11928.97 h15.75; PIN_NUMBER "H1" at 13149.78,12054.96 h15.75; PIN_NUMBER "T2" at 13181.27,11802.99 h15.75; PIN_NUMBER "K1" at 13149.78,11991.97 h15.75; PIN_NUMBER "M3" at 13212.77,11928.97 h15.75; PIN_NUMBER "N8" at 13370.25,11897.48 h15.75; PIN_NUMBER "M2" at 13181.27,11928.97 h15.75; PIN_NUMBER "L2" at 13181.27,11960.47 h15.75; PIN_NUMBER "J3" at 13212.77,12023.46 h15.75; PIN_NUMBER "K3" at 13212.77,11991.97 h15.75; PIN_NUMBER "L3" at 13212.77,11960.47 h15.75; PIN_NUMBER "N7" at 13338.76,11897.48 h15.75; PIN_NUMBER "P7" at 13338.76,11865.98 h15.75; PIN_NUMBER "T3" at 13212.77,11802.99 h15.75; PIN_NUMBER "R3" at 13212.77,11834.49 h15.75; PIN_NUMBER "R2" at 13181.27,11834.49 h15.75; PIN_NUMBER "N2" at 13181.27,11897.48 h15.75; PIN_NUMBER "L7" at 13338.76,11960.47 h15.75; PIN_NUMBER "P2" at 13181.27,11865.98 h15.75; PIN_NUMBER "T7" at 13338.76,11802.99 h15.75; PIN_NUMBER "R8" at 13370.25,11834.49 h15.75; PIN_NUMBER "P3" at 13212.77,11865.98 h15.75; PIN_NUMBER "R7" at 13338.76,11834.49 h15.75; PIN_NUMBER "T8" at 13370.25,11802.99 h15.75; PIN_NUMBER "M7" at 13338.76,11928.97 h15.75; PIN_NUMBER "P8" at 13370.25,11865.98 h15.75; PIN_NUMBER "N3" at 13212.77,11897.48 h15.75; PIN_NUMBER "K9" at 13401.75,11991.97 h15.75; PIN_NUMBER "J7" at 13338.76,12023.46 h15.75; PIN_NUMBER "D3" at 13212.77,12180.94 h15.75; PIN_NUMBER "E7" at 13338.76,12149.45 h15.75; PIN_NUMBER "B7" at 13338.76,12243.94 h15.75; PIN_NUMBER "C7" at 13338.76,12212.44 h15.75; PIN_NUMBER "G3" at 13212.77,12086.45 h15.75; PIN_NUMBER "F3" at 13212.77,12117.95 h15.75; PIN_NUMBER "H8" at 13370.25,12054.96 h15.75; PIN_NUMBER "A7" at 13338.76,12275.43 h15.75; PIN_NUMBER "A3" at 13212.77,12275.43 h15.75; PIN_NUMBER "F2" at 13181.27,12117.95 h15.75; PIN_NUMBER "B8" at 13370.25,12243.94 h15.75; PIN_NUMBER "E3" at 13212.77,12149.45 h15.75; PIN_NUMBER "C8" at 13370.25,12212.44 h15.75; PIN_NUMBER "K7" at 13338.76,11991.97 h15.75; PIN_NUMBER "A2" at 13181.27,12275.43 h15.75; PIN_NUMBER "D7" at 13338.76,12180.94 h15.75; PIN_NUMBER "G2" at 13181.27,12086.45 h15.75; PIN_NUMBER "H7" at 13338.76,12054.96 h15.75; PIN_NUMBER "C3" at 13212.77,12212.44 h15.75; PIN_NUMBER "C2" at 13181.27,12212.44 h15.75; PIN_NUMBER "F7" at 13338.76,12117.95 h15.75; PIN_NUMBER "H3" at 13212.77,12054.96 h15.75; PIN_NUMBER "F8" at 13370.25,12117.95 h15.75; PIN_NUMBER "T9" at 13401.75,11802.99 h15.75; PIN_NUMBER "P1" at 13149.78,11865.98 h15.75; PIN_NUMBER "M1" at 13149.78,11928.97 h15.75; PIN_NUMBER "T1" at 13149.78,11802.99 h15.75; PIN_NUMBER "M9" at 13401.75,11928.97 h15.75; PIN_NUMBER "P9" at 13401.75,11865.98 h15.75; PIN_NUMBER "G1" at 13149.78,12086.45 h15.75; PIN_NUMBER "E2" at 13181.27,12149.45 h15.75; PIN_NUMBER "E1" at 13149.78,12149.45 h15.75; PIN_NUMBER "J2" at 13181.27,12023.46 h15.75; PIN_NUMBER "J8" at 13370.25,12023.46 h15.75; PIN_NUMBER "G9" at 13401.75,12086.45 h15.75; PIN_NUMBER "G8" at 13370.25,12086.45 h15.75; PIN_NUMBER "F9" at 13401.75,12117.95 h15.75; PIN_NUMBER "D1" at 13149.78,12180.94 h15.75; PIN_NUMBER "B3" at 13212.77,12243.94 h15.75; PIN_NUMBER "B1" at 13149.78,12243.94 h15.75; PIN_NUMBER "A9" at 13401.75,12275.43 h15.75; PIN_NUMBER "B9" at 13401.75,12243.94 h15.75; PIN_NUMBER "D8" at 13370.25,12180.94 h15.75; PIN_NUMBER "E8" at 13370.25,12149.45 h15.75; AUTOSILK_TOP "DDR3-FBGA96" at 13028.5,11718.34 h59.06; Top Overlay "DDR3-FBGA96" at 13028.5,12027.4 h59.06; ASSEMBLY_TOP "RichardLC" at 13231.67,12039.21 h15.75